# Altium PCB radxa_cm5_io_board_v2200.PcbDoc (part 1 of 8)
Units mil, origin at the board's own origin, x right, y up, seen from the top; angles counter-clockwise.
Board outline 6299.61 x 3544.09 mil, 4 copper layers (Top, GND, Power, Bottom), stack 35.4 mil thick; 482 components, 404 nets, 1857 pads, 2731 vias.
Unrouted connection lines stored in the file: 1872.
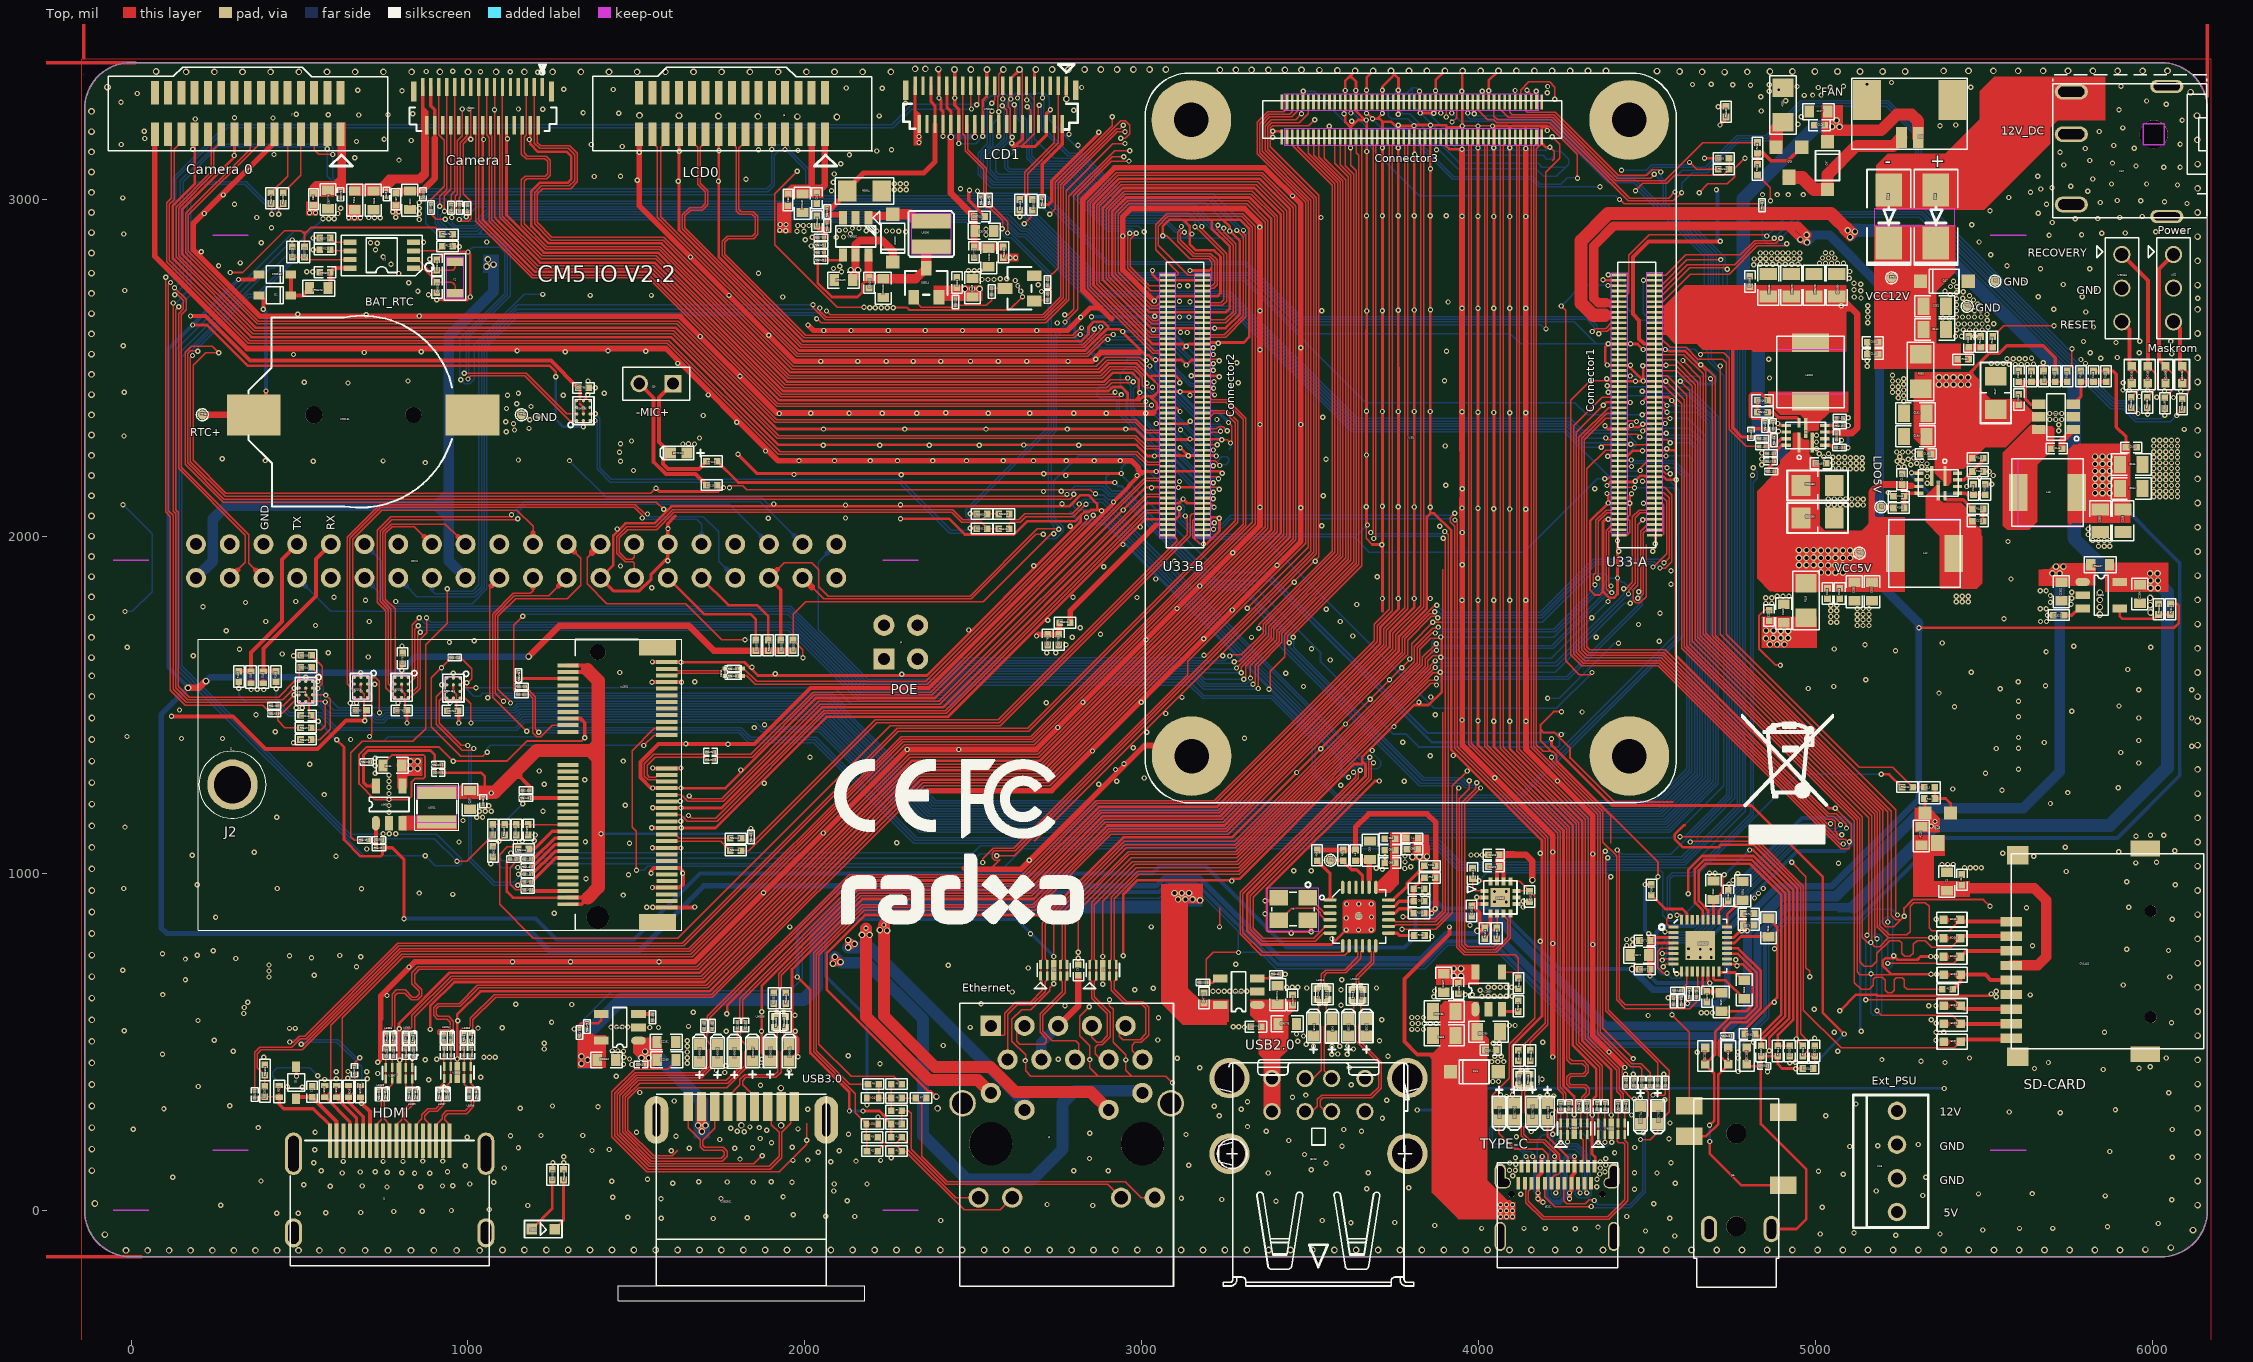
[diagram p0: Top view]
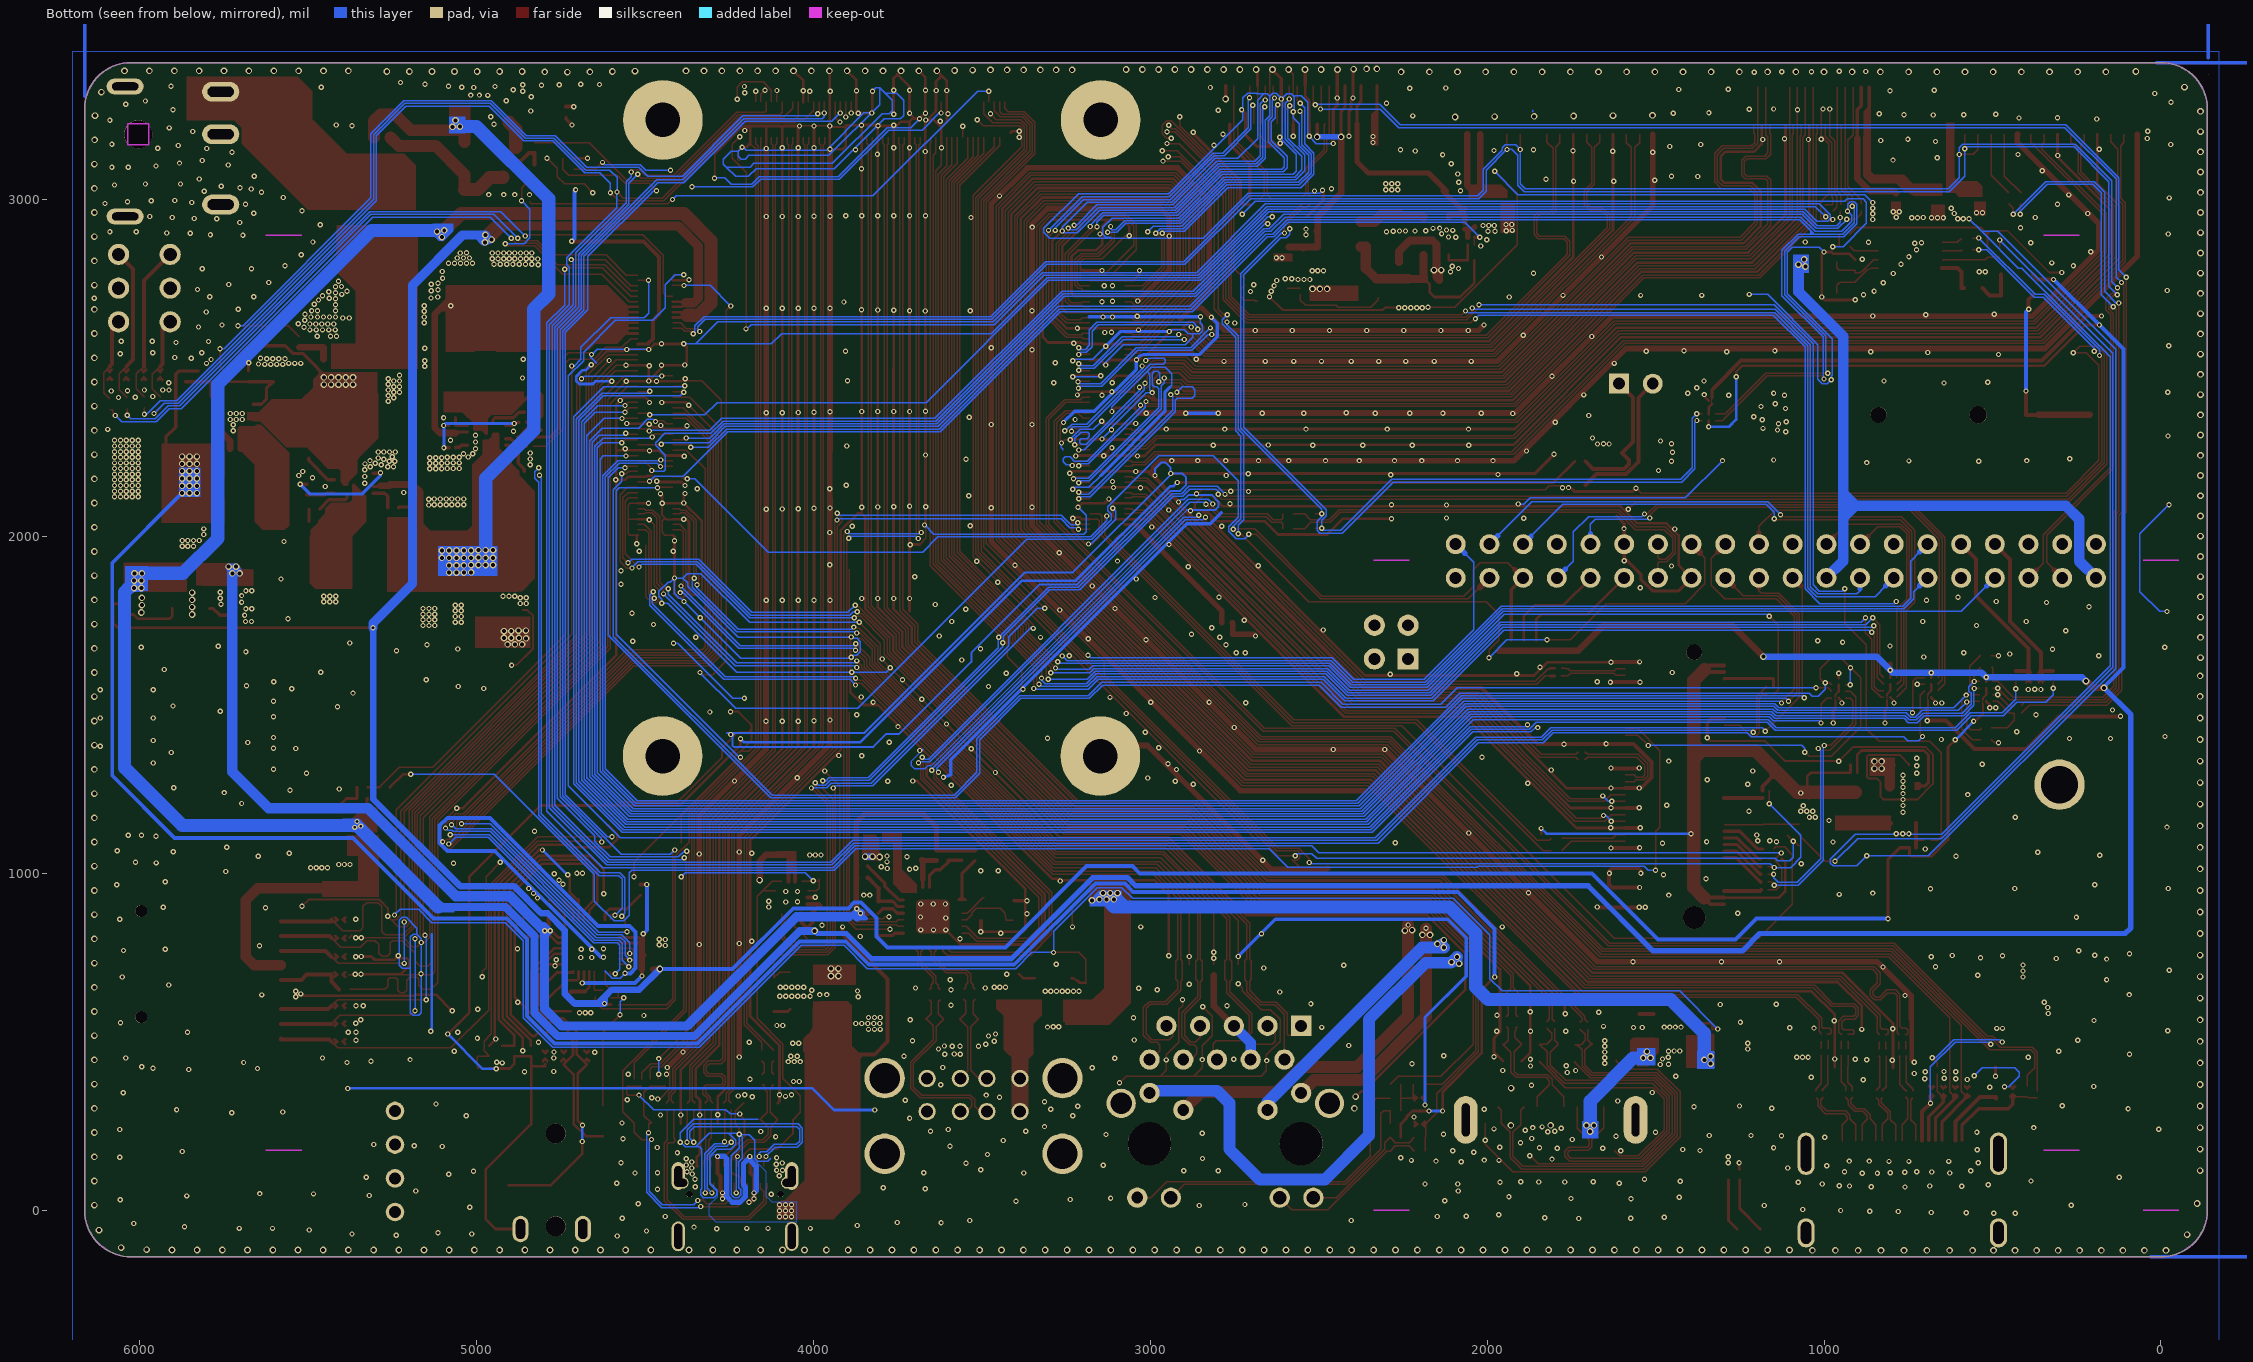
[diagram p1: Bottom view, seen from below]
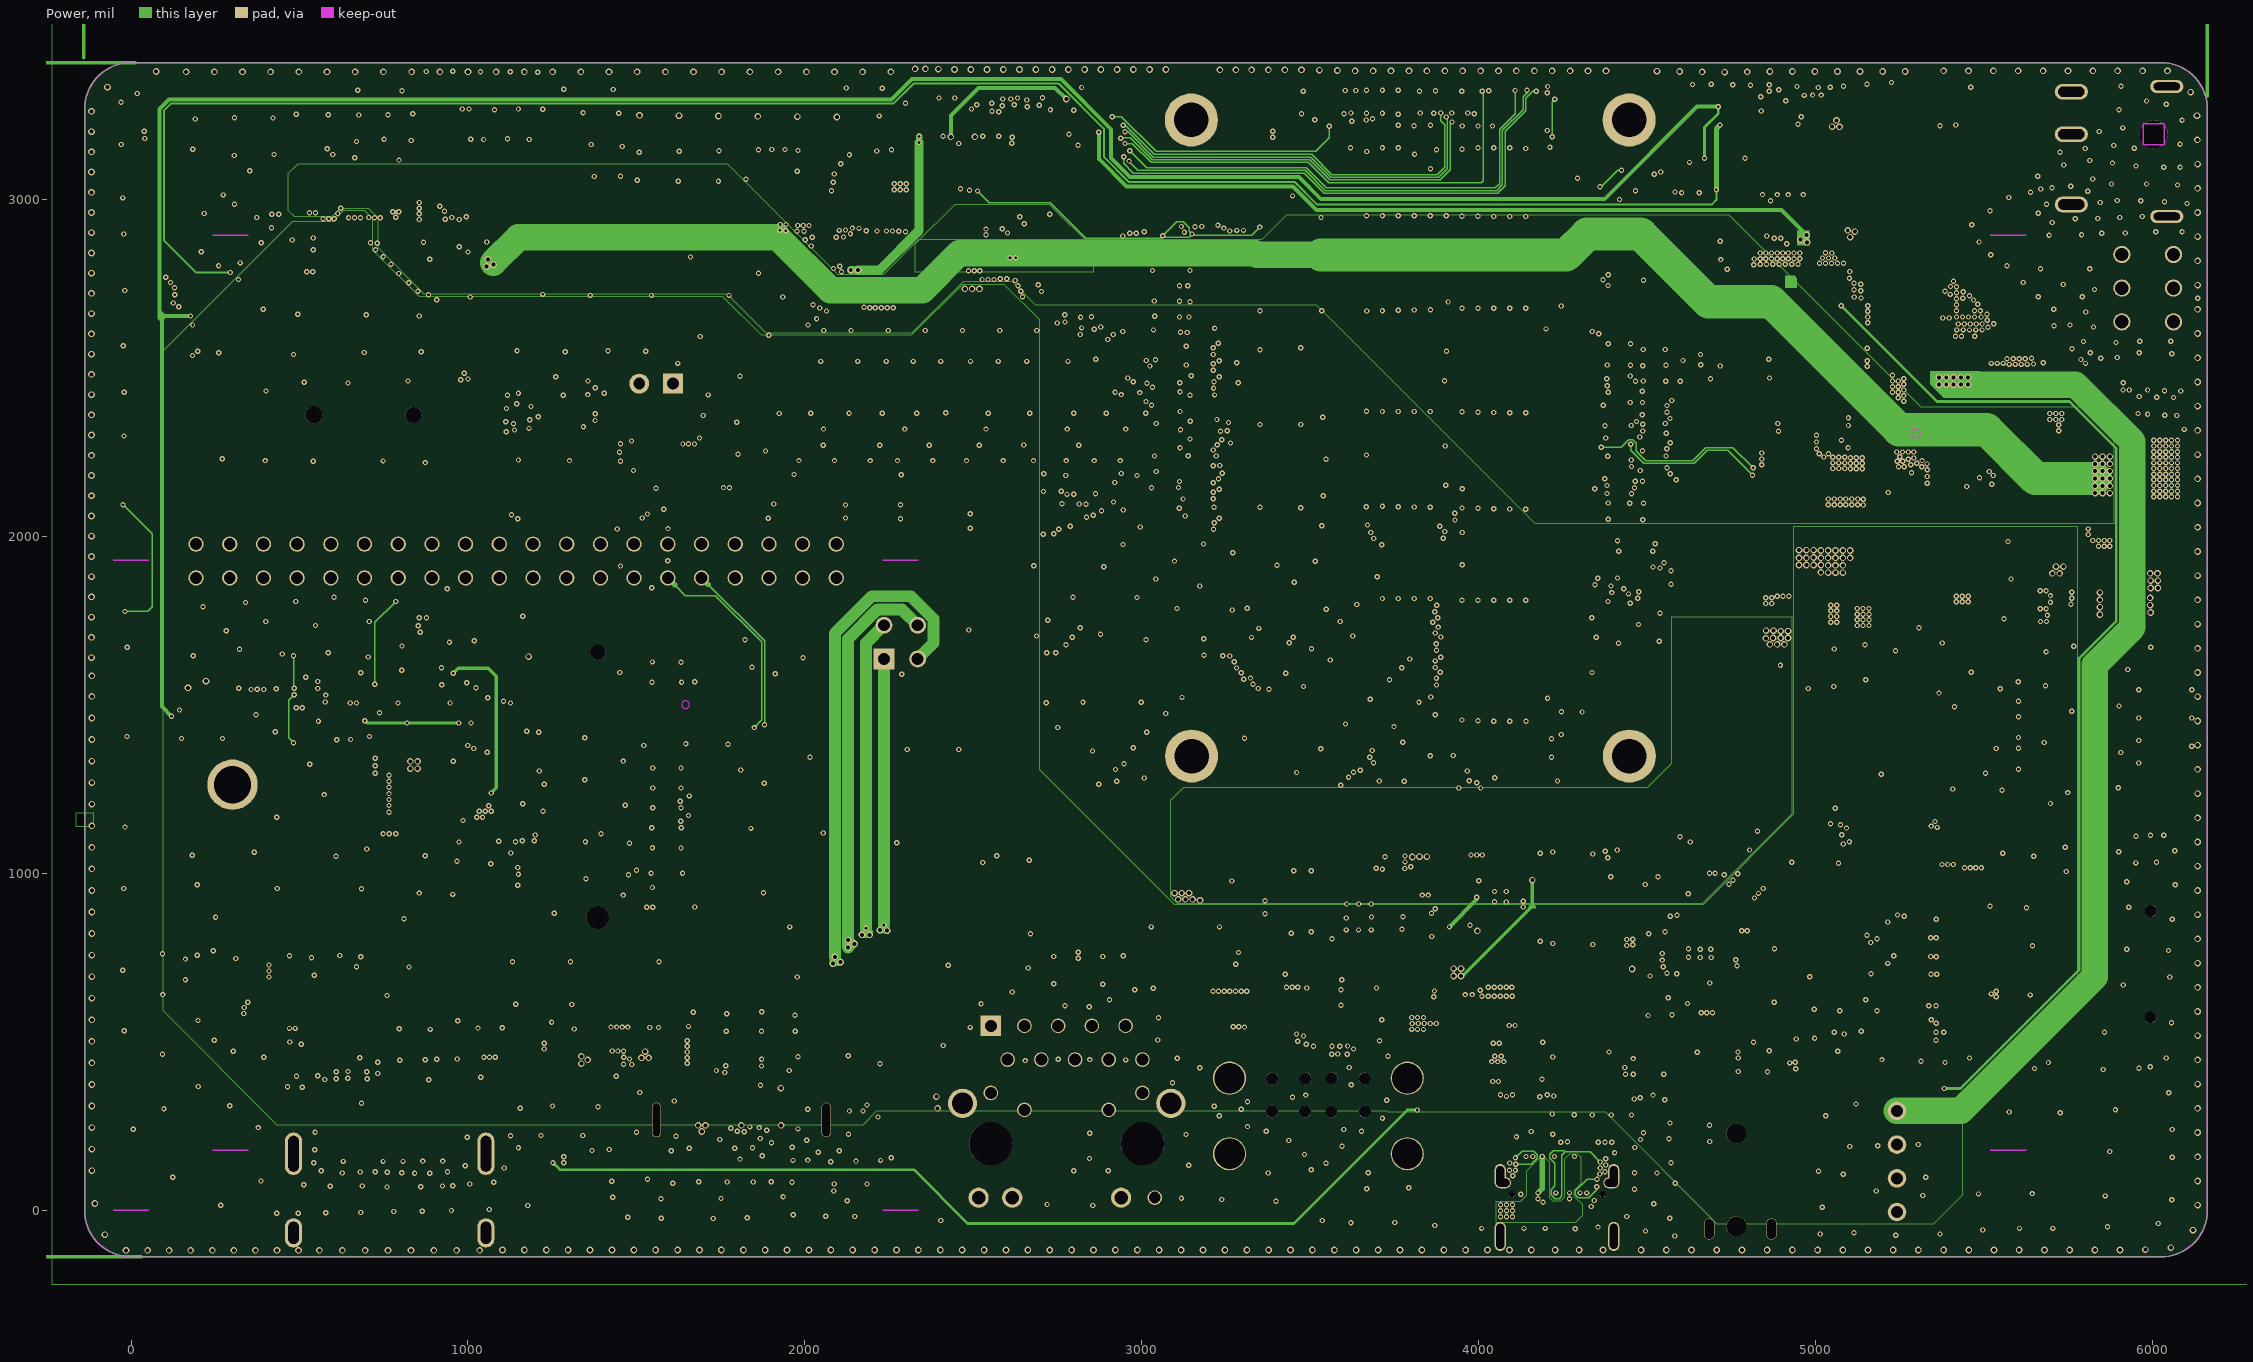
[diagram p2: Power]

## Layer stack, top to bottom
Solder Mask Top: solder mask 0.4, Solder Resist, Dk 3.5
Top: signal copper 1.35
Dielectric 1: dielectric 10, FR-4, Dk 4.3
GND: signal copper 1.35
Dielectric2: dielectric 10, FR-4, Dk 4.3
Power: signal copper 1.35
Dielectric3: dielectric 10, FR-4, Dk 4.3
Bottom: signal copper 1.35
Solder Mask Bottom: solder mask 0.4, Solder Resist, Dk 3.5

## Board outline
-137.8,3267.72 cw(c0,3267.72) 0,3405.51 6024.02,3405.51 cw(c6024.02,3267.72) 6161.81,3267.72 6161.81,-0.79 cw(c6024.02,-0.79) 6024.02,-138.58 0,-138.58 cw(c0,-0.79) -137.8,-0.79

## Design rules (kind name [scope] priority, off if disabled: settings)
Clearance "Clearance - Default - DEFAULT- SMD" [IsVia vs IsSMTPin] p1: gap=0 ignorepadtopadclearanceinfootprint=FALSE
Clearance "Clearance - Default - DEFAULT - Via" [IsVia vs IsVia] p2: gap=0 ignorepadtopadclearanceinfootprint=FALSE
Clearance "Clearance - Default - DEFAULT - Net" [All] p3: gap=3.94 ignorepadtopadclearanceinfootprint=FALSE except(0: Arc-Hole Track-Hole SMDPad-Hole THPad-Hole Via-Hole Fill-Hole Poly-Hole Region-Hole Text-Hole; 5.91: Arc-Fill Arc-Poly Arc-Region Track-Fill Track-Poly Track-Region SMDPad-Fill SMDPad-Poly SMDPad-Region THPad-Fill THPad-Poly THPad-Region Via-Fill Via-Poly Via-Region; 10: Fill-Fill Fill-Poly Fill-Region Poly-Poly Poly-Region Region-Region Text-Text)
ComponentClearance "ComponentClearance - Default - DEFAULT" [All] p1: gap=0 collisioncheckmode=3 verticalgap=10 showdistances=FALSE
FanoutControl Fanout_SOIC [IsSOIC] p1: bgadir=Out bgaviamode=Centered fanoutstyle=Auto fanoutdirection=Alternating viagrid=1 // Fanout_SOIC (Default Rule)
FanoutControl Fanout_Small [(CompPinCount < 5)] p2: bgadir=Out bgaviamode=Centered fanoutstyle=Auto fanoutdirection=OutThenIn viagrid=1 // Fanout_Small (Default Rule)
FanoutControl Fanout_LCC [IsLCC] p3: bgadir=Out bgaviamode=Centered fanoutstyle=Auto fanoutdirection=Alternating viagrid=1 // Fanout_LCC (Default Rule)
FanoutControl Fanout_BGA [IsBGA] p4: bgadir=Out bgaviamode=Centered fanoutstyle=Auto fanoutdirection=Alternating viagrid=1 // Fanout_BGA (Default Rule)
HoleToHoleClearance "HoleToHoleClearance - Default - DEFAULT" [All] p1: gap=0 allowstackedmicrovias=TRUE
Length "Length - NetClass - MLNetGroup6" [InNetClass('MLNetGroup6')] p1: maxlimit=18503.27 minlimit=0
Length "Length - NetClass - MLNetGroup2" [InNetClass('MLNetGroup2')] p2: maxlimit=18503.27 minlimit=0
Length "Length - NetClass - MLNetGroup10" [InNetClass('MLNetGroup10')] p3: maxlimit=18503.27 minlimit=0
Length "Length - NetClass - MLNetGroup9" [InNetClass('MLNetGroup9')] p4: maxlimit=18503.27 minlimit=0
Length "Length - NetClass - MLNetGroup11" [InNetClass('MLNetGroup11')] p5: maxlimit=18503.27 minlimit=0
Length "Length - NetClass - MLNetGroup1" [InNetClass('MLNetGroup1')] p6: maxlimit=18503.27 minlimit=0
Length "Length - NetClass - MLNetGroup7" [InNetClass('MLNetGroup7')] p7: maxlimit=18503.27 minlimit=0
Length "Length - NetClass - MLNetGroup5" [InNetClass('MLNetGroup5')] p8: maxlimit=18503.27 minlimit=0
Length "Length - NetClass - MLNetGroup3" [InNetClass('MLNetGroup3')] p9: maxlimit=18503.27 minlimit=0
Length "Length - NetClass - MLNetGroup4" [InNetClass('MLNetGroup4')] p10: maxlimit=18503.27 minlimit=0
Length "Length - NetClass - MLNetGroup8" [InNetClass('MLNetGroup8')] p11: maxlimit=18503.27 minlimit=0
Length "Default Length" [All] p12: maxlimit=50000 minlimit=0
MatchedLengths "MatchedLengths - NetClass - MLNetGroup6" [InNetClass('MLNetGroup6')] p1: tolerance=200 checknetsindiffpair=FALSE checkdiffpairvsdiffpair=TRUE checkxsignals=TRUE checkothers=TRUE
MatchedLengths "MatchedLengths - NetClass - MLNetGroup2" [InNetClass('MLNetGroup2')] p2: tolerance=200 checknetsindiffpair=FALSE checkdiffpairvsdiffpair=TRUE checkxsignals=TRUE checkothers=TRUE
MatchedLengths "MatchedLengths - NetClass - MLNetGroup10" [InNetClass('MLNetGroup10')] p3: tolerance=200 checknetsindiffpair=FALSE checkdiffpairvsdiffpair=TRUE checkxsignals=TRUE checkothers=TRUE
MatchedLengths "MatchedLengths - NetClass - MLNetGroup9" [InNetClass('MLNetGroup9')] p4: tolerance=200 checknetsindiffpair=FALSE checkdiffpairvsdiffpair=TRUE checkxsignals=TRUE checkothers=TRUE
MatchedLengths "MatchedLengths - NetClass - MLNetGroup11" [InNetClass('MLNetGroup11')] p5: tolerance=200 checknetsindiffpair=FALSE checkdiffpairvsdiffpair=TRUE checkxsignals=TRUE checkothers=TRUE
MatchedLengths "MatchedLengths - NetClass - MLNetGroup1" [InNetClass('MLNetGroup1')] p6: tolerance=200 checknetsindiffpair=FALSE checkdiffpairvsdiffpair=TRUE checkxsignals=TRUE checkothers=TRUE
MatchedLengths "MatchedLengths - NetClass - MLNetGroup7" [InNetClass('MLNetGroup7')] p7: tolerance=200 checknetsindiffpair=FALSE checkdiffpairvsdiffpair=TRUE checkxsignals=TRUE checkothers=TRUE
MatchedLengths "MatchedLengths - NetClass - MLNetGroup4" [InNetClass('MLNetGroup4')] p8: tolerance=200 checknetsindiffpair=FALSE checkdiffpairvsdiffpair=TRUE checkxsignals=TRUE checkothers=TRUE
MatchedLengths "MatchedLengths - NetClass - MLNetGroup3" [InNetClass('MLNetGroup3')] p9: tolerance=200 checknetsindiffpair=FALSE checkdiffpairvsdiffpair=TRUE checkxsignals=TRUE checkothers=TRUE
MatchedLengths "MatchedLengths - NetClass - MLNetGroup8" [InNetClass('MLNetGroup8')] p10: tolerance=200 checknetsindiffpair=FALSE checkdiffpairvsdiffpair=TRUE checkxsignals=TRUE checkothers=TRUE
MatchedLengths "MatchedLengths - NetClass - MLNetGroup5" [InNetClass('MLNetGroup5')] p11: tolerance=200 checknetsindiffpair=FALSE checkdiffpairvsdiffpair=TRUE checkxsignals=TRUE checkothers=TRUE
MaxMinImpedance "Default Impedance" [All] p1: minimum=50.00 maximum=150.0
ParallelSegment "Default Parallel Segment Same Layer" [All] p1: limit=1000 gap=200
ParallelSegment "Default Parallel Segment Adjasent" [All] p2: limit=1000 gap=200
PlaneClearance "PlaneClearance - FootPrint 'DIP4PIN-2_54MM-2X2'" [HasFootprint('DIP4PIN-2_54MM-2X2')] p1: clearance=7.5 // PAD - Power Plane Clearance
PlaneConnect "Default PlaneConnect" [All] p1: planeconnectstyle=Direct reliefexpansion=20 reliefentries=4 reliefconductorwidth=15 reliefairgap=10
PolygonConnect "PolygonConnect - Default SMT" [IsSMTPin] p1: connectstyle=Direct reliefconductorwidth=10 reliefentries=4 polygonreliefangle="45 Angle" airgapwidth=10
PolygonConnect "PolygonConnect - Default Pad" [All] p2: connectstyle=Direct reliefconductorwidth=15 reliefentries=4 polygonreliefangle="45 Angle" airgapwidth=10
RoutingLayers "RoutingLayers - Default - DEFAULT" [All] p1: top layer_v5=TRUE mid layer 1_v5=TRUE mid layer 2_v5=TRUE bottom layer_v5=TRUE
RoutingPriority "RoutingPriority - Default - DEFAULT" [All] p1: routingpriority=3
RoutingTopology "Default Routing Topology" [All] p1: topology=Shortest
RoutingVias "RoutingVias - Default - DEFAULT" [All] p1: holewidth=7.87 width=15.75 viastyle="Through Hole" minholewidth=7.87 minwidth=15.75 maxholewidth=7.87 maxwidth=15.75
SMDToCorner "SMDToCorner - Default - DEFAULT" [All] p1: distance=0
SolderMaskExpansion [All] p1: expansion=4 istentingtop=FALSE
Width "Width - Net - N16766319" [InNet('N16766319') OR InNet('MIC_IN2P') OR InNet('N16766259') OR InNet('HPOR') OR InNet('HPOL')] p1: maxlimit=196.85 minlimit=3.94 preferedwidth=7.87
Width "Default Width" [All] p2: maxlimit=196.85 minlimit=3.94 preferedwidth=3.94
18 further rules are at their usual default settings.

## Classes and differential pairs
net class MLNetGroup3: MIPI_DPHY0_TX_CLKN MIPI_DPHY0_TX_CLKP MIPI_DPHY0_TX_D0N MIPI_DPHY0_TX_D0P MIPI_DPHY0_TX_D1N MIPI_DPHY0_TX_D1P
net class MLNetGroup4: PHY1_MDI0+ PHY1_MDI0- PHY1_MDI1+ PHY1_MDI1- PHY1_MDI2+ PHY1_MDI2- PHY1_MDI3+ PHY1_MDI3-
net class MLNetGroup8: HDMI0_TX1N HDMI0_TX1P HDMI0_TX2N HDMI0_TX2P
net class MLNetGroup5: SDMMC_CLK SDMMC_CMD SDMMC_D0 SDMMC_D1 SDMMC_D2 SDMMC_D3
net class MLNetGroup2: MIPI_DPHY0_RX_CLKN MIPI_DPHY0_RX_CLKP MIPI_DPHY0_RX_D0N MIPI_DPHY0_RX_D0P MIPI_DPHY0_RX_D1N MIPI_DPHY0_RX_D1P MIPI_DPHY0_RX_D2N MIPI_DPHY0_RX_D2P MIPI_DPHY0_RX_D3N MIPI_DPHY0_RX_D3P
net class MLNetGroup10: TYPEC0_SSRX2N TYPEC0_SSRX2P TYPEC0_SSTX2N TYPEC0_SSTX2P TYPEC_SSRX2N TYPEC_SSRX2P TYPEC_SSTX2N TYPEC_SSTX2P
net class MLNetGroup6: MIPI_DPHY1_TX_CLKN MIPI_DPHY1_TX_CLKP MIPI_DPHY1_TX_D0N MIPI_DPHY1_TX_D0P MIPI_DPHY1_TX_D1N MIPI_DPHY1_TX_D1P MIPI_DPHY1_TX_D2N MIPI_DPHY1_TX_D2P
net class MLNetGroup1: MIPI_CSI0_RX_CLK0N MIPI_CSI0_RX_CLK0P MIPI_CSI0_RX_D0N MIPI_CSI0_RX_D0P MIPI_CSI0_RX_D1N MIPI_CSI0_RX_D1P
net class MLNetGroup7: HDMI0_TX0N HDMI0_TX0P HDMI0_TX3N HDMI0_TX3P
net class MLNetGroup11: TYPEC0_SSRX1N TYPEC0_SSRX1P TYPEC0_SSTX1N TYPEC0_SSTX1P TYPEC_SSRX1N TYPEC_SSRX1P TYPEC_SSTX1N TYPEC_SSTX1P
net class MLNetGroup9: SSRX_1N SSRX_1P SSTX_1N SSTX_1P USB30_2_SSRXN USB30_2_SSRXP USB30_2_SSTXN USB30_2_SSTXP

## Components (designator, comment, footprint, x,y, rotation, side; value= is the part's Value field where it differs from the comment)
C1 "C0402" C0402 537.4,351.38 r90 top
C3 "C0402" C0402 2811.23,712.36 r270 top
C4 "C0603" C0603 5388.78,975.39 r90 top
C5 "C0402" C0402 5433.07,980.31 r90 top
C34 "C0402" C0402 2035.43,3002.95 r270 top
C83 "C0603" C0603 3677.17,1067.91 r270 top
C84 "C0402" C0402 3736.22,1102.36 r180 top
C85 "C0402" C0402 3802.17,1070.87 r180 top
C87 "C0402" C0402 3736.22,1067.91 r180 top
C88 "C0402" C0402 3736.22,1030.51 r180 top
C89 "C0402" C0402 3821.85,916.34 r0 top
C126 "C0402" C0402 5010.83,3219.49 r0 top
C127 "C0603" C0603 5007.87,3259.84 r0 top
C129 "C0402" C0402 5480.31,2044.29 r180 top
C130 "C0603" C0603 4904.53,1770.67 r90 top
C131 "C0402" C0402 4861.22,1764.76 r90 top
C132 "C0805" C0805 5295.28,2365.16 r180 top
C133 "C0402" C0402 5325.79,2244.09 r180 top
C134 "C0805" C0805 5295.28,2296.26 r180 top
C135 "C0402" C0402 5034.45,1829.72 r270 top
C136 "C0603" C0603 5114.17,1835.63 r270 top
C137 "C0603" C0603 5166.34,1835.63 r270 top
C138 "C0402" C0402 5070.87,1829.72 r270 top
C139 "C0402" C0402 5255.91,2169.29 r90 top
C140 "C0402" C0402 5168.31,2540.35 r180 top
C141 "C0402" C0402 5453.74,2576.77 r90 top
C142 "C0805" C0805 5352.36,2613.19 r0 top
C143 "C0402" C0402 5246.06,2118.11 r180 top
C144 "C0402" C0402 5467.52,2138.78 r90 top
C145 "C0402" C0402 5714.57,2259.84 r180 top
C146 "C0402" C0402 5602.36,2405.51 r90 top
C147 "C1206" C1206 5533.46,2425.2 r90 top
C148 "C0402" C0402 5823.82,2474.41 r270 top
C149 "C0805" C0805 5911.42,2046.26 r270 top
C150 "C0402" C0402 5936.02,2263.78 r0 top
C151 "C0805" C0805 5352.36,2682.09 r180 top
C152 "C0402" C0402 5168.31,2575.79 r180 top
C153 "C0402" C0402 5602.36,2474.41 r90 top
C154 "C0805" C0805 5936.02,2141.73 r0 top
C155 "C0805" C0805 5936.02,2212.6 r0 top
C156 "C0805" C0805 5843.5,2046.26 r270 top
C265 "C0603" C0603 775.55,1319.87 r180 top
C266 "C0201" C0201 911.42,1298.23 r180 top
C267 "C0603" C0603 1005.91,1217.52 r270 top
C268 "C0201" C0201 1045.28,1213.58 r270 top
C269 "C0201" C0201 736.22,1098.43 r0 top
C548 "C0603" C0603 719,2996.56 r270 top
C549 "C0201" C0201 757.87,3015.75 r270 top
C558 "C0402" C0402 2450.79,2752.95 r90 top
C559 "C0603" C0603 2497.05,2737.2 r90 top
C560 "C0402" C0402 4837.6,472.44 r270 top
C561 "C0402" C0402 4804.13,522.64 r180 top
C562 "C0603" C0603 4696.05,949.44 r90 top
C563 "C0402" C0402 4740.16,933.07 r90 top
C564 "C0603" C0603 4782.66,947.47 r90 top
C565 "C0603" C0603 4859.25,838.58 r90 top
C568 "C0603" C0603 4787.4,654.53 r90 top
C569 "C0603" C0603 4719.67,617.74 r270 top
C570 "C0402" C0402 4676.36,633.49 r270 top
C571 "C0402" C0402 4492.13,800.2 r180 top
C572 "C0603" C0603 4476.38,756.89 r180 top
C573 "C0402" C0402 4800.38,846.09 r0 top
C574 "C0402" C0402 4800.38,880.54 r0 top
C658 "C0805" C0805 3896.65,518.7 r180 top
C750 "C0201" C0201 974.41,2974.41 r90 top
C812 "C0603" C0603 827.76,2997.05 r270 top
C813 "C0201" C0201 866.14,3014.76 r270 top
C2010 "C0201" C0201 4507.87,377.95 r270 top
C2011 "C0201" C0201 4483.27,377.95 r270 top
C2013 "C0201" C0201 4349.79,308.07 r270 top
C2014 "C0201" C0201 4373.42,308.07 r270 top
C2019 "C0201" C0201 4243.12,308.06 r270 top
C2020 "C0201" C0201 4266.74,308.06 r270 top
C2280 "C0201" C0201 1799.21,549.21 r270 top
C2281 "C0201" C0201 1822.83,549.21 r270 top
C2282 "C0603" C0603 1588.58,499.02 r0 top
C2283 "C0603" C0603 1589.57,445.87 r0 top
C2284 "C0201" C0201 1513.78,432.09 r180 top
C2330 "C0603" C0603 5961.61,1828.74 r270 top
C2332 "C0603" C0603 5728.35,1835.63 r270 top
C2335 "C0603" C0603 2545.27,2826.77 r270 top
C2606 "C0402" C0402 3938.98,657.48 r270 top
C2607 "C0603" C0603 3895.67,674.21 r270 top
C2608 "C0402" C0402 4044.29,1055.12 r180 top
C2609 "C0402" C0402 4044.29,1019.68 r180 top
C2611 "C0402" C0402 4035.43,475.39 r0 top
C2612 "C0402" C0402 4150.22,930.87 r270 top
C2613 "C0402" C0402 3980.93,998.79 r90 top
C2614 "C0402" C0402 3978.35,887.8 r270 top
C7320 "C0402" C0402 4922.24,472.44 r270 top
C7322 "C0402" C0402 4996.06,472.44 r90 top
C90084 "C0201" C0201 4846.46,428.15 r0 top
C90392 "C0201" C0201 1719.49,1336.61 r180 top
C90393 "C0201" C0201 1719.49,1360.24 r180 top
C90399 "C0402" C0402 1179.09,1128.92 r270 top
C90408 "C0603" C0603 2232.28,2736.22 r270 top
C90409 "C0603" C0603 2114.17,2759.84 r180 top
C90410 "C0402" C0402 2189.96,2751.97 r270 top
C90420 "C0201" C0201 928.15,469.49 r270 top
C90421 "C0201" C0201 837.6,467.52 r270 top
C90422 "C0201" C0201 814.96,467.52 r270 top
C90423 "C0201" C0201 756.89,467.52 r270 top
C90424 "C0201" C0201 778.54,467.52 r270 top
C90425 "C0201" C0201 1009.84,469.49 r270 top
C90426 "C0201" C0201 987.2,469.49 r270 top
C90427 "C0201" C0201 948.82,469.49 r270 top
C90429 "C0201" C0201 663.39,415.35 r270 top
C90430 "C0201" C0201 367.13,343.5 r270 top
C90431 "C0603" C0603 1992.13,2988.19 r270 top
C90448 "C0402" C0402 2035.43,2935.04 r90 top
C90478 "C0805" C0805 4994.09,2745.08 r90 top
C90479 "C0805" C0805 4927.17,2745.08 r90 top
C90480 "C1206" C1206 5004.92,2054.13 r0 top
C90481 "C0201" C0201 4807.09,2304.13 r270 top
C90482 "C0201" C0201 4873.03,2328.74 r270 top
C90483 "C0402" C0402 5014.76,2216.54 r0 top
C90484 "C1206" C1206 5004.92,2150.59 r0 top
C90485 "C0805" C0805 4858.27,2745.08 r90 top
C90486 "C0201" C0201 5061.02,2296.26 r270 top
C90487 "C0201" C0201 4865.16,2222.44 r180 top
C90488 "C0402" C0402 4804.13,2755.91 r90 top
C90489 "C0402" C0402 4841.54,2403.54 r0 top
C90490 "C0805" C0805 5062.01,2745.08 r90 top
C90582 "C0603" C0603 1410.89,445.56 r180 top
C90615 "C0402" C0402 907.48,2738.19 r270 top
C90616 "C0402" C0402 907.48,2805.12 r90 top
C90617 "C0402" C0402 575.79,2783.46 r180 top
C90618 "C0402" C0402 518.7,1468.5 r0 top
C90750 "C0603" C0603 2532.48,2905.51 r0 top
C90751 "C0402" C0402 2517.71,2948.82 r0 top
C90772 "C0402" C0402 2501.97,2842.52 r270 top
C90773 "C0402" C0402 3184.06,629.92 r90 top
C90774 "C0603" C0603 3402.56,638.78 r90 top
C90775 "C0603" C0603 3431.33,552.93 r0 top
C90776 "C0402" C0402 3338.58,544.29 r180 top
C90777 "C0402" C0402 3446.85,624.02 r90 top
C90778 "C0603" C0603 584.65,2999.02 r270 top
C90779 "C0201" C0201 622.05,3014.76 r270 top
C90780 "C0805" C0805 4028.54,529.53 r0 top
C90781 "C0805" C0805 3896.65,589.57 r180 top
C90782 "C0402" C0402 803.15,1483.27 r0 top
C90783 "C0402" C0402 683.07,1483.27 r0 top
C90784 "C0402" C0402 954.72,1482.28 r0 top
C90787 "C0402" C0402 806.1,1637.8 r270 top
C90788 "C0402" C0402 1342.87,2440.33 r180 top
C90789 "C0402" C0402 2752.95,1692.91 r270 top
C90790 "C0402" C0402 2720.47,1692.91 r270 top
CN14A1 "TF-CKT01-009D" TF-CKT01-009D 5993.5,730.31 r0 top
CON1 "DIP40PIN_2D54MM" DIP40PIN_2D54MM 192.94,1976.36 r0 top
D1 "SOD_323" SOD_323 490.16,377.95 r270 top
D2 "SOD_323" SOD_323 427.17,2714.92 r0 top